# Altium PCB TIMESTICK_2.PcbDoc (part 1 of 2) (continued)
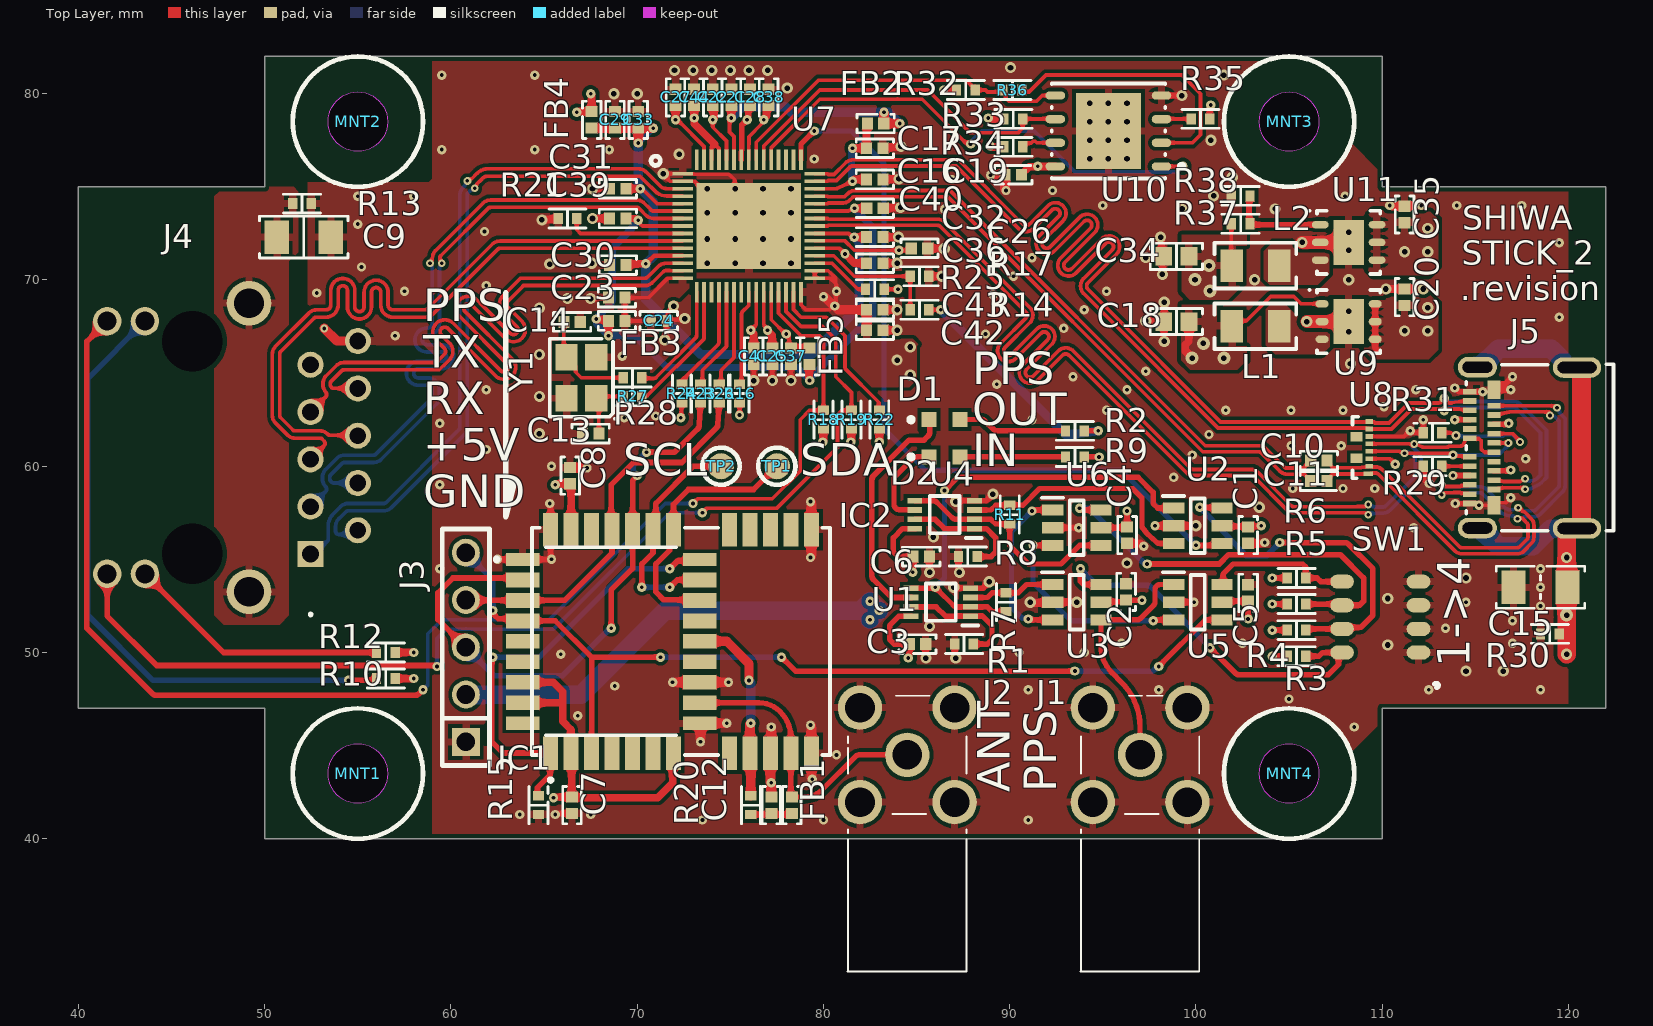
[diagram p0: Top Layer view]
## Components (designator, comment, footprint, x,y, rotation, side; value= is the part's Value field where it differs from the comment)
C1 "0.1 µF" "CAP 0402_1005" 102.8,56.3 r90 top
C2 "0.1 µF" "CAP 0402_1005" 96.25,53.25 r270 top
C3 "0.1 µF" "CAP 0402_1005" 85.05,50.45 r180 top
C4 "0.1 µF" "CAP 0402_1005" 96.3,56.3 r90 top
C5 "0.1 µF" "CAP 0402_1005" 102.8,53.2 r270 top
C6 "0.1 µF" "CAP 0402_1005" 85.25,55.15 r180 top
C7 "0.1 µF" "CAP 0402_1005" 66.5,41.8 r90 top
C8 "0.1 µF" "CAP 0402_1005" 66.4,59.5 r270 top
C9 "1000 pF/2kV" "CAP 1206_3216 - 0.8MM" 52.1,72.3 r0 top
C10 "0.1 µF" "CAP 0402_1005" 106.6,60.3 r180 top
C11 "0.1 µF" "CAP 0402_1005" 106.6,59.2 r180 top
C12 "47 pF" "CAP 0402_1005" 77.2,41.8 r270 top
C13 "15 pF" "CAP 0402_1005" 67.5,61.75 r0 top
C14 "15 pF" "CAP 0402_1005" 66.5,67.75 r180 top
C15 "1000 pF/2kV" "CAP 1206_3216 - 0.8MM" 118.5,53.5 r0 top
C16 "1 µF" "CAP 0402_1005" 82.756,75.4 r180 top
C17 "0.1 µF" "CAP 0402_1005" 82.756,77.075 r180 top
C18 "22 µF" "CAP 0603_1608" 98.95,67.767 r0 top
C19 "0.1 µF" "CAP 0402_1005" 90.194,75.65 r0 top
C20 "4.7 µF" "CAP 0402_1005" 111.2,69.077 r270 top
C21 "4.7 µF" "CAP 0402_1005" 75.056,79.8 r270 top
C22 "4.7 µF" "CAP 0402_1005" 74.056,79.8 r270 top
C23 "0.1 µF" "CAP 0402_1005" 68.906,69.05 r0 top
C24 "0.1 µF" "CAP 0402_1005" 71.156,67.8 r180 top
C25 "0.1 µF" "CAP 0402_1005" 77.256,65.9 r90 top
C26 "0.1 µF" "CAP 0402_1005" 85.156,71.7 r180 top
C27 "0.1 µF" "CAP 0402_1005" 72.056,79.8 r270 top
C28 "0.1 µF" "CAP 0402_1005" 76.056,79.8 r270 top
C29 "4.7 µF" "CAP 0402_1005" 68.806,78.6 r270 top
C30 "0.1 µF" "CAP 0402_1005" 68.956,70.8 r0 top
C31 "0.1 µF" "CAP 0402_1005" 68.956,74.9 r0 top
C32 "0.1 µF" "CAP 0402_1005" 82.756,72.3 r180 top
C33 "0.1 µF" "CAP 0402_1005" 70.056,78.6 r270 top
C34 "22 µF" "CAP 0603_1608" 98.95,71.267 r0 top
C35 "4.7 µF" "CAP 0402_1005" 111.2,73.517 r270 top
C36 "0.1 µF" "CAP 0402_1005" 82.756,70.9 r180 top
C37 "0.1 µF" "CAP 0402_1005" 78.256,65.9 r90 top
C38 "0.1 µF" "CAP 0402_1005" 77.056,79.8 r270 top
C39 "0.1 µF" "CAP 0402_1005" 68.956,73.3 r0 top
C40 "0.1 µF" "CAP 0402_1005" 82.766,73.85 r180 top
C41 "0.1 µF" "CAP 0402_1005" 76.256,65.9 r90 top
C42 "0.1 µF" "CAP 0402_1005" 82.756,67.3 r180 top
C43 "0.1 µF" "CAP 0402_1005" 82.756,68.4 r180 top
C44 "0.1 µF" "CAP 0402_1005" 73.056,79.8 r270 top
D1 "APT1608ZGCK" FP-APT1608ZGCK-MFG 86.5,62.5 r0 top
D2 "APT1608ZGCK" FP-APT1608ZGCK-MFG 86.5,60.5 r0 top
FB1 "80 Ohms @ 100 MHz" "FER 0402_1005" 78.3,41.8 r90 top
FB2 "80 Ohms @ 100 MHz" "FER 0402_1005" 82.8,78.4 r180 top
FB3 "80 Ohms @ 100 MHz" "FER 0402_1005" 68.906,67.8 r180 top
FB4 "80 Ohms @ 100 MHz" "FER 0402_1005" 67.556,78.6 r270 top
FB5 "80 Ohms @ 100 MHz" "FER 0402_1005" 79.256,65.9 r270 top
IC1 "MAX-F10S-00B" MAXF10S00B 68.6,50.6 r180 top
IC2 "NEO-M9N-00B" NEOM9N00B 72.35,50.6 r270 top
J1 "73100-0114" 731000114 97,44.5 r90 top locked
J2 "73100-0114" 731000114 84.5,44.5 r90 top locked
J3 "PBS-5" PBS-5 60.8,50.28 r90 top
J4 "ARJM11D7-809-AB-EW2" ARJM11D7809ABEW2 52.46,55.29 r270 top locked
J5 "1054500101" "Molex 1054500101" 115.355,61 r90 top locked
L1 "3.3µH" "IND 1008_2520" 103.2,67.517 r180 top
L2 "3.3µH" "IND 1008_2520" 103.2,70.767 r180 top
MNT1 "MOUNT_HOLE" MOUNT_3mm 55,43.5 r0 top locked
MNT2 "MOUNT_HOLE" MOUNT_3mm 55,78.5 r0 top locked
MNT3 "MOUNT_HOLE" MOUNT_3mm 105,78.5 r0 top locked
MNT4 "MOUNT_HOLE" MOUNT_3mm 105,43.5 r0 top locked
R1 "4.7 kOhms" "YAGEO RES 0402_1005" 87.55,50.45 r180 top
R2 "4.7 kOhms" "YAGEO RES 0402_1005" 93.5,61.9 r0 top
R3 "10 kOhms" "YAGEO RES 0402_1005" 105.4,49.8 r180 top
R4 "10 kOhms" "YAGEO RES 0402_1005" 105.4,51.2 r180 top
R5 "10 kOhms" "YAGEO RES 0402_1005" 105.4,52.6 r180 top
R6 "10 kOhms" "YAGEO RES 0402_1005" 105.4,54 r180 top
R7 "0 Ohms" "YAGEO RES 0402_1005" 89.8,52.7 r270 top
R8 "4.7 kOhms" "YAGEO RES 0402_1005" 87.75,55.15 r0 top
R9 "4.7 kOhms" "YAGEO RES 0402_1005" 93.5,60.5 r0 top
R10 "330 Ohms" "YAGEO RES 0402_1005" 56.5,48.6 r0 top
R11 "0 Ohms" "YAGEO RES 0402_1005" 90,57.4 r90 top
R12 "330 Ohms" "YAGEO RES 0402_1005" 56.5,50 r0 top
R13 "1 MOhms" "YAGEO RES 0402_1005" 52,74.1 r0 top
R14 "49.9 kOhms" "YAGEO RES 0402_1005" 85.156,68.4 r0 top
R15 "DNP" "YAGEO RES 0402_1005" 64.7,41.8 r270 top value="0 Ohms"
R16 "10 kOhms" "YAGEO RES 0402_1005" 75.5,63.9 r270 top
R17 "100 kOhms" "YAGEO RES 0402_1005" 85.156,70.2 r180 top
R18 "4.7 kOhms" "YAGEO RES 0402_1005" 80,62.5 r90 top
R19 "4.7 kOhms" "YAGEO RES 0402_1005" 81.5,62.5 r90 top
R20 "33 Ohms" "YAGEO RES 0402_1005" 76.1,41.8 r270 top
R21 "24 kOhms" "YAGEO RES 0402_1005" 66.256,73.3 r0 top
R22 "47 kOhms" "YAGEO RES 0402_1005" 83,62.5 r270 top
R23 "0 Ohms" "YAGEO RES 0402_1005" 73.4,63.9 r90 top
R24 "47 kOhms" "YAGEO RES 0402_1005" 72.4,63.9 r270 top
R25 "47 kOhms" "YAGEO RES 0402_1005" 82.756,69.5 r0 top
R26 "0 Ohms" "YAGEO RES 0402_1005" 74.4,63.9 r90 top
R27 "0 Ohms" "YAGEO RES 0402_1005" 69.75,63.75 r0 top
R28 "200 Ohms" "YAGEO RES 0402_1005" 69.75,64.75 r0 top
R29 "5.1 kOhms" "YAGEO RES 0402_1005" 112.7,60 r180 top
R30 "1 MOhms" "YAGEO RES 0402_1005" 119,51 r0 top
R31 "5.1 kOhms" "YAGEO RES 0402_1005" 112.7,61.8 r180 top
R32 "4.7 kOhms" "YAGEO RES 0402_1005" 87.644,80.2 r0 top
R33 "4.7 kOhms" "YAGEO RES 0402_1005" 90.194,78.65 r0 top
R34 "4.7 kOhms" "YAGEO RES 0402_1005" 90.194,77.15 r0 top
R35 "4.7 kOhms" "YAGEO RES 0402_1005" 100.244,78.65 r180 top
R36 "22 Ohms" "YAGEO RES 0402_1005" 90.144,80.2 r180 top
R37 "10 kOhms" "YAGEO RES 0402_1005" 102.4,73.017 r0 top
R38 "39.2 kOhms" "YAGEO RES 0402_1005" 102.4,74.517 r180 top
SW1 "218-4LPST" "CTS 218-4LPJ" 109.9,51.9 r180 top
TP1 "PAD_TEST" PAD_TEST 77.5,60 r0 top value=.NetName
TP2 "PAD_TEST" PAD_TEST 74.5,60 r0 top value=.NetName
U1 "NC7WZ125K8X" SOP50P310X90-8N 86.3,52.7 r180 top
U2 "SN74LVC1G3157DBVR" SOT95P280X145-6N 100.1,56.8 r0 top
U3 "SN74LVC1G3157DBVR" SOT95P280X145-6N 93.6,52.7 r0 top
U4 "NC7WZ125K8X" SOP50P310X90-8N 86.5,57.4 r180 top
U5 "SN74LVC1G3157DBVR" SOT95P280X145-6N 100.1,52.7 r0 top
U6 "SN74LVC1G3157DBVR" SOT95P280X145-6N 93.6,56.7 r0 top
U7 "AX88279" IC_AX88279 75.991,72.9 r0 top locked
U8 "ESD7016MUTAG" ONSC-UDFN-8-517CB_V 108.9,61 r90 top
U9 "ST1S06PU33R" DFN6D_L 108.2,67.767 r0 top
U10 "SST25VF016B-50-4I-QAF-T" FP-C04-452-MFG 95.3,78 r180 top
U11 "ST1S06PUR" DFN6D_M 108.2,72.017 r0 top
Y1 "25 MHz" "NDK NX3225GA" 67,64.75 r90 top

## Footprints (in the part's own frame and the unit in brackets; to place one, negate y for a bottom-side part, rotate by r counter-clockwise, add the part's x,y. Pads: shape width x height; smd on the part's side, far side on the other; paste and mask are expansions set on the pad)
731000114 [mm]
  round 2.385 hole 1.59: 1(0,0) 2(-2.54,-2.54) 3(-2.54,2.54) 4(2.54,2.54) 5(2.54,-2.54)
  silkscreen extent -11.63,-3.18 3.17,3.2, body extent -11.6,-3.18 3.2,3.18, height 9.57
ARJM11D7809ABEW2 [mm]
  round 2.4 hole 1.6: MH1(2.035,-3.3) MH2(-13.465,-3.3)
  round 1.625 hole 3.25 unplated: MH3(0,-6.35) MH4(-11.43,-6.35)
  rect 1.4x1.4 hole 0.9: P1(0,0)
  round 1.4 hole 0.9: P2(-1.27,2.54) P3(-2.54,0) P4(-3.81,2.54) P5(-5.08,0) P6(-6.35,2.54) P7(-7.62,0) P8(-8.89,2.54) P9(-10.16,0) P10(-11.43,2.54)
  round 1.53 hole 1.02: P11(-12.5,-8.89) P12(-12.5,-10.92) P13(1.07,-8.89) P14(1.07,-10.92)
  silkscreen extent 3.2,-0.05 3.3,0.05, body extent -14.17,-17.2 2.74,4.3, height 14.15
"CAP 0402_1005" [mm] "Chip Capacitor, 2-Leads, Body 1.02x0.51mm, IPC Medium Density"
  rect 0.6x0.64 smd: 1(-0.44,0) 2(0.44,0)
  silkscreen extent -1,-0.5 1,0.5, body extent -0.5,-0.26 0.5,0.26, height 0.52
"CAP 0603_1608" [mm] "Chip Capacitor, 2-Leads, Body 1.60x0.80mm, IPC Medium Density"
  rect 0.9x1 smd: 1(-0.675,0) 2(0.675,0)
  silkscreen extent -1.4,-0.7 1.4,0.7, body extent -0.8,-0.41 0.8,0.41, height 0.82
"CAP 1206_3216 - 0.8MM" [mm] "Chip Capacitor, 2-Leads, Body 3.25x1.60mm, IPC Medium Density"
  rect 1.3x1.8 smd: 1(-1.45,0) 2(1.45,0)
  silkscreen extent -2.37,-1.12 2.37,1.12, body extent -1.6,-0.8 1.6,0.8, height 0.8
"CTS 218-4LPJ" [mm] "DIP, 6 POS, Body 8.79x6.05mm, Pitch 1.27mm, IPC Medium Density"
  oval 1.27x0.76 smd: 1(-2.05,1.905) 2(-2.05,0.635) 3(-2.05,-0.635) 4(-2.05,-1.905) 5(2.05,-1.905) 6(2.05,-0.635) 7(2.05,0.635) 8(2.05,1.905)
  silkscreen extent -3.13,3.55 -2.9,3.79, body extent -3.15,-3.13 3.15,3.12, height 2.71
DFN6D_L [mm] "SON, 6-Leads, Body 3x3mm, Pitch 0.95mm, Thermal Pad 2.4x1.65mm, IPC High Density"
  oval 0.7x0.4 smd: 1(-1.425,0.95) 2(-1.425,0) 3(-1.425,-0.95) 4(1.425,-0.95) 5(1.425,0) 6(1.425,0.95)
  rect 1.65x2.4 smd: 7(0,0)
  silkscreen extent -2.15,-1.7 1.7,1.75, body extent -1.55,-1.55 1.55,1.55, height 0.95
DFN6D_M [mm] "SON, 6-Leads, Body 3x3mm, Pitch 0.95mm, Thermal Pad 2.4x1.65mm, IPC Low Density"
  oval 0.9x0.4 smd: 1(-1.525,0.95) 2(-1.525,0) 3(-1.525,-0.95) 4(1.525,-0.95) 5(1.525,0) 6(1.525,0.95)
  rect 1.65x2.4 smd: 7(0,0)
  silkscreen extent -2.15,-1.7 1.7,1.75, body extent -1.55,-1.55 1.55,1.55, height 0.95
"FER 0402_1005" [mm] "Chip Ferrite, 2-Leads, Body 1.02x0.51mm, IPC Medium Density"
  rect 0.6x0.64 smd: 1(-0.44,0) 2(0.44,0)
  silkscreen extent -1,-0.5 1,0.5, body extent -0.5,-0.26 0.5,0.26, height 0.52
FP-APT1608ZGCK-MFG [mm]
  rect 0.8x0.8 smd paste+0 mask+0: 1(-0.825,0) 2(0.825,0)
  silkscreen extent -1.92,-0.12 -1.67,0.12, body extent -0.8,-0.4 0.8,0.4, height 0.85
FP-C04-452-MFG [mm]
  rrect100% 1.05x0.45 smd paste+0 mask+0: 1(-2.85,1.905) 2(-2.85,0.635) 3(-2.85,-0.635) 4(-2.85,-1.905) 5(2.85,-1.905) 6(2.85,-0.635) 7(2.85,0.635) 8(2.85,1.905)
  rect 3.5x4.1 smd paste+0 mask+0: 9(0,0)
  silkscreen extent -4.05,-2.55 3.05,2.55, body extent -3.47,-2.65 3.47,2.65, height 0.25
IC_AX88279 [mm]
  rect 1.1x0.2 smd: 1(-3.55,2.8) 2(-3.55,2.4) 3(-3.55,2) 4(-3.55,1.6) 5(-3.55,1.2) 6(-3.55,0.8) 7(-3.55,0.4) 8(-3.55,0) 9(-3.55,-0.4) 10(-3.55,-0.8) 11(-3.55,-1.2) 12(-3.55,-1.6) 13(-3.55,-2) 14(-3.55,-2.4) 15(-3.55,-2.8) 31(3.55,-2.8) 32(3.55,-2.4) 33(3.55,-2) 34(3.55,-1.6) 35(3.55,-1.2) 36(3.55,-0.8) 37(3.55,-0.4) 38(3.55,0) 39(3.55,0.4) 40(3.55,0.8) 41(3.55,1.2) 42(3.55,1.6) 43(3.55,2) 44(3.55,2.4) 45(3.55,2.8)
  rect 0.2x1.1 smd: 16(-2.8,-3.55) 17(-2.4,-3.55) 18(-2,-3.55) 19(-1.6,-3.55) 20(-1.2,-3.55) 21(-0.8,-3.55) 22(-0.4,-3.55) 23(0,-3.55) 24(0.4,-3.55) 25(0.8,-3.55) 26(1.2,-3.55) 27(1.6,-3.55) 28(2,-3.55) 29(2.4,-3.55) 30(2.8,-3.55) 46(2.8,3.55) 47(2.4,3.55) 48(2,3.55) 49(1.6,3.55) 50(1.2,3.55) 51(0.8,3.55) 52(0.4,3.55) 53(0,3.55) 54(-0.4,3.55) 55(-0.8,3.55) 56(-1.2,3.55) 57(-1.6,3.55) 58(-2,3.55) 59(-2.4,3.55) 60(-2.8,3.55)
  rect 5.6x4.6 smd paste-2539.97: 61(0,0)
  silkscreen extent -5.25,3.25 -4.75,3.75, body extent -3.5,-3.5 3.5,3.5, height 0.85
"IND 1008_2520" [mm] "Chip Inductance, 2-leads, Body 2.5x2.1mm, IPC Medium Density"
  rect 1.2x1.75 smd: 1(-1.275,0) 2(1.275,0)
  silkscreen extent -2.18,-1.22 2.2,1.22, body extent -1.3,-1.05 1.3,1.05, height 1
MAXF10S00B [mm]
  rect 1.8x0.7 smd: 1(4.75,-4.4) 9(4.75,4.4) 10(-4.75,4.4) 18(-4.75,-4.4)
  rect 1.8x0.8 smd: 2(4.75,-3.3) 3(4.75,-2.2) 4(4.75,-1.1) 5(4.75,0) 6(4.75,1.1) 7(4.75,2.2) 8(4.75,3.3) 11(-4.75,3.3) 12(-4.75,2.2) 13(-4.75,1.1) 14(-4.75,0) 15(-4.75,-1.1) 16(-4.75,-2.2) 17(-4.75,-3.3)
  silkscreen extent -3.5,-5.05 6.25,5.05, body extent -4.85,-5.35 4.85,5.05, height 2.48
"Molex 1054500101" [mm] "USB-C Receptacle Connector 24 Position Surface Mount, 24 Position, Body 8.94x7.90mm"
  rect 0.3x0.7 smd: A1(-3,0.655) A2(-2.5,0.655) A3(-2,0.655) A4(-1.5,0.655) A5(-1,0.655) A6(-0.5,0.655) A7(0.5,0.655) A8(1,0.655) A9(1.5,0.655) A10(2,0.655) A11(2.5,0.655) A12(3,0.655) B2(2.25,-0.645) B3(1.75,-0.645) B4(1.25,-0.645) B5(0.75,-0.645) B6(0.25,-0.645) B7(-0.25,-0.645) B8(-0.75,-0.645) B9(-1.25,-0.645) B10(-1.75,-0.645) B11(-2.25,-0.645)
  rect 1x0.7 smd: B1(3.1,-0.655) B12(-3.1,-0.645)
  oval 1.1x2.6 hole 2.1 slot 0.6 at 0 deg: S(-4.34,-5.105) S(4.3,-5.105)
  oval 1.1x2.1 hole 1.6 slot 0.6 at 0 deg: S(-4.32,0.245) S(4.32,0.245)
  silkscreen extent -4.47,-7.07 4.47,0.83, body extent -4.47,-7.07 4.47,0.83, height 3.21
MOUNT_3mm [mm] "H3/OUT6"
  round 0 hole 3.2 unplated: ""(0,0)
  Keep-Out Layer board cut-out: 0,-1.6 -0.612,-1.478 -1.131,-1.131 -1.478,-0.612 -1.6,0 -1.6,0 -1.478,0.612 -1.131,1.131 -0.612,1.478 0,1.6 0,1.6 0.612,1.478 1.131,1.131 1.478,0.612 1.6,0 1.6,0 1.478,-0.612 1.131,-1.131 0.612,-1.478 0,-1.6 hole: 0,-1.6 0,-1.6 0,-1.6
  Multi-Layer pour cut-out: 0,-3.5 -1.339,-3.234 -2.475,-2.475 -3.234,-1.339 -3.5,0 -3.5,0 -3.031,1.75 -1.75,3.031 0,3.5 0,3.5 1.339,3.234 2.475,2.475 3.234,1.339 3.5,0 3.5,0 3.234,-1.339 2.475,-2.475 1.339,-3.234 0,-3.5
  silkscreen extent -3.5,-3.5 3.5,3.5
"NDK NX3225GA" [mm] "Crystal, 4-Leads, Body 2.50x3.20mm, Pitch 2.20mm, IPC Medium Density"
  rect 1.4x1.2 smd: 1(-1.1,-0.8) 2(1.1,-0.8) 3(1.1,0.8) 4(-1.1,0.8)
  silkscreen extent -2.25,-1.85 2.1,1.7, body extent -1.61,-1.26 1.61,1.26, height 0.75
NEOM9N00B [mm]
  rect 1.8x0.8 smd: 1(6,-7) 2(6,-5.9) 3(6,-4.8) 4(6,-3.7) 5(6,-2.6) 6(6,-1.5) 7(6,-0.4) 8(6,2.6) 9(6,3.7) 10(6,4.8) 11(6,5.9) 12(6,7) 13(-6,7) 14(-6,5.9) 15(-6,4.8) 16(-6,3.7) 17(-6,2.6) 18(-6,-0.4) 19(-6,-1.5) 20(-6,-2.6) 21(-6,-3.7) 22(-6,-4.8) 23(-6,-5.9) 24(-6,-7)
  silkscreen extent -6.1,-8 7.55,8, body extent -6.1,-8 6.1,8, height 2.6
ONSC-UDFN-8-517CB_V [mm] "SON, 8-Leads, Body 3.3x1mm, Pitch 0.4mm"
  rect 0.25x0.5 smd: 1(-1.4,-0.35)
  rect 0.25x0.4 smd: 2(-1,-0.4) 3(-0.6,-0.4) 4(-0.2,-0.4) 5(0.2,-0.4) 6(0.6,-0.4) 7(1,-0.4) 8(1.4,-0.4)
  rect 0.5x0.65 smd: 9(0.58,0.275) 10(-0.58,0.275)
  silkscreen extent -1.65,0.18 1.65,0.5, body extent -1.65,-0.5 1.65,0.5, height 0.55
PAD_TEST [mm]
  round 1.4 smd paste-100: 1(0,0)
  silkscreen extent -1,-1 1,1
PBS-5 [mm]
  rect 1.5x1.5 hole 1: 1(-5.08,0)
  round 1.5 hole 1: 2(-2.54,0) 3(0,0) 4(2.54,0) 5(5.08,0)
  silkscreen extent -6.35,-1.27 6.35,1.27, body extent -6.6,-1.25 6.6,1.25, height 8.5
SOP50P310X90-8N [mm]
  rect 0.8x0.3 smd: 1(-1.6,0.75) 2(-1.6,0.25) 3(-1.6,-0.25) 4(-1.6,-0.75) 5(1.6,-0.75) 6(1.6,-0.25) 7(1.6,0.25) 8(1.6,0.75)
  silkscreen extent -2,-1 0.8,1.25, body extent -1.55,-1 1.55,1, height 0.9
SOT95P280X145-6N [mm]
  rect 1.15x0.6 smd: 1(-1.3,0.95) 2(-1.3,0) 3(-1.3,-0.95) 4(1.3,-0.95) 5(1.3,0) 6(1.3,0.95)
  silkscreen extent -1.88,-1.46 0.38,1.6, body extent -1.4,-1.46 1.4,1.46, height 1.45
"YAGEO RES 0402_1005" [mm] "Chip Resistor, 2-Leads, Body 1.0x0.5mm"
  rect 0.5x0.6 smd: 1(-0.5,0) 2(0.5,0)
  silkscreen extent -1,-0.51 1,0.51, body extent -0.5,-0.25 0.5,0.25, height 0.35

## Part data
C1 C2 C3 C4 C5 C6 C7 C8 C10 C11 C17 C19 C23 C24 C25 C26 C27 C28 C30 C31 C32 C33 C36 C37 C38 C39 C40 C41 C42 C43 C44: library part CC0402KRX7R6BB104, "CAP CER 0.1UF 10V X7R 0402", Device Package="0402 (1005 Metric)", Manufacturer=Yageo, Operating Temperature="-55°C ~ 125°C", Supplier Part Number 1=311-1345-1-ND, Temperature Coefficient=X7R, Tolerance=±10%, Voltage - Rated=10V, Applications="General Purpose", Capacitance="0.1 µF", componentlink1description=Datasheet, componentlink1url=https://www.yageo.com/upload/media/product/productsearch/datasheet/mlcc/UPY-GPHC_X7R_6.3V-to-50V_18.pdf, componentlink2description="DigiKey Link", componentlink2url=https://www.digikey.com/en/products/detail/yageo/CC0402KRX7R6BB104/2103083, lastupdated="09.02.2024 20:04:34", Lifecycle Status=Active, Minimum Order=10, Mounting Type="Surface Mount, MLCC", Package / Case="0402 (1005 Metric)", packaging=CutTape, Part Number=CC0402KRX7R6BB104, Part Status=Active, partid=3877, Price=0.01, series=CC, Size / Dimension="0.039\" L x 0.020\" W (1.00mm x 0.50mm)", Supplier 1=DigiKey, Thickness (Max)="0.022\" (0.55mm)"
C9 C15: library part CC1206KKX7RDBB102, "CAP CER 1000PF 2KV X7R 1206", Capacitance="1000 pF", Device Package="1206 (3216 Metric)", Manufacturer=Yageo, Operating Temperature="-55°C ~ 125°C", Supplier Part Number 1=311-1487-1-ND, Temperature Coefficient=X7R, Tolerance=±10%, Voltage - Rated="2000V (2kV)", Applications="General Purpose", componentlink1description=Datasheet, componentlink1url=https://www.yageo.com/upload/media/product/productsearch/datasheet/mlcc/UPY-NP0X7R_HV_1KV-to-3KV_11.pdf, componentlink2description="DigiKey Link", componentlink2url=https://www.digikey.com/en/products/detail/yageo/CC1206KKX7RDBB102/2833652, Features="High Voltage", lastupdated="04.06.2024 19:10:41", Lifecycle Status=Active, Minimum Order=1, Mounting Type="Surface Mount, MLCC", Package / Case="1206 (3216 Metric)", packaging=TapeAndReel, Part Number=CC1206KKX7RDBB102, Part Status=Active, partid=19484, Price=0.06, series=CC, Size / Dimension="0.126\" L x 0.063\" W (3.20mm x 1.60mm)", Supplier 1=DigiKey, Thickness (Max)="0.057\" (1.45mm)"
C12: library part CC0402KRNPO9BN470, "CAP CER 47PF 50V C0G/NPO 0402", Device Package="0402 (1005 Metric)", Manufacturer=Yageo, Operating Temperature="-55°C ~ 125°C", Supplier Part Number 1=311-3783-1-ND, Temperature Coefficient="C0G, NP0", Tolerance=±10%, Voltage - Rated=50V, Applications="General Purpose", Capacitance="47 pF", componentlink1description=Datasheet, componentlink1url=https://www.yageo.com/upload/media/product/productsearch/datasheet/mlcc/UPY-GP_NP0_16V-to-50V_17.pdf, componentlink2description="DigiKey Link", componentlink2url=https://www.digikey.com/en/products/detail/yageo/CC0402KRNPO9BN470/5883324, lastupdated="09.02.2024 20:04:34", Lifecycle Status=Active, Minimum Order=10, Mounting Type="Surface Mount, MLCC", Package / Case="0402 (1005 Metric)", packaging=CutTape, Part Number=CC0402KRNPO9BN470, Part Status=Active, partid=3939, Price=0.01, series=CC, Size / Dimension="0.039\" L x 0.020\" W (1.00mm x 0.50mm)", Supplier 1=DigiKey, Thickness (Max)="0.022\" (0.55mm)"
C13 C14: library part CC0402KRNPO9BN150, "CAP CER 15PF 50V C0G/NPO 0402", Device Package="0402 (1005 Metric)", Manufacturer=Yageo, Operating Temperature="-55°C ~ 125°C", Supplier Part Number 1=311-3780-1-ND, Temperature Coefficient="C0G, NP0", Tolerance=±10%, Voltage - Rated=50V, Applications="General Purpose", Capacitance="15 pF", componentlink1description=Datasheet, componentlink1url=https://www.yageo.com/upload/media/product/productsearch/datasheet/mlcc/UPY-GP_NP0_16V-to-50V_17.pdf, componentlink2description="DigiKey Link", componentlink2url=https://www.digikey.com/en/products/detail/yageo/CC0402KRNPO9BN150/5883321, lastupdated="09.02.2024 20:04:34", Lifecycle Status=Active, Minimum Order=10, Mounting Type="Surface Mount, MLCC", Package / Case="0402 (1005 Metric)", packaging=CutTape, Part Number=CC0402KRNPO9BN150, Part Status=Active, partid=3947, Price=0.01, series=CC, Size / Dimension="0.039\" L x 0.020\" W (1.00mm x 0.50mm)", Supplier 1=DigiKey, Thickness (Max)="0.022\" (0.55mm)"
C16: library part CC0402KRX5R6BB105, "CAP CER 1UF 10V X5R 0402", Device Package="0402 (1005 Metric)", Manufacturer=Yageo, Operating Temperature="-55°C ~ 85°C", Supplier Part Number 1=311-1439-1-ND, Temperature Coefficient=X5R, Tolerance=±10%, Voltage - Rated=10V, Applications="General Purpose", Capacitance="1 µF", componentlink1description=Datasheet, componentlink1url=https://www.yageo.com/upload/media/product/productsearch/datasheet/mlcc/UPY-GPHC_X5R_4V-to-50V_25.pdf, componentlink2description="DigiKey Link", componentlink2url=https://www.digikey.com/en/products/detail/yageo/CC0402KRX5R6BB105/2833604, lastupdated="09.02.2024 20:04:31", Lifecycle Status=Active, Minimum Order=1, Mounting Type="Surface Mount, MLCC", Package / Case="0402 (1005 Metric)", packaging=TapeAndReel, Part Number=CC0402KRX5R6BB105, Part Status=Active, partid=44232, Price=0.01, series=CC, Size / Dimension="0.039\" L x 0.020\" W (1.00mm x 0.50mm)", Supplier 1=DigiKey, Thickness (Max)="0.022\" (0.55mm)"
C18 C34: library part CC0603MRX5R6BB226, "CAP CER 22UF 10V X5R 0603", Device Package="0603 (1608 Metric)", Manufacturer=Yageo, Operating Temperature="-55°C ~ 85°C", Supplier Part Number 1=311-1819-1-ND, Temperature Coefficient=X5R, Tolerance=±20%, Voltage - Rated=10V, Applications="General Purpose", Capacitance="22 µF", componentlink1description=Datasheet, componentlink1url=https://www.yageo.com/upload/media/product/productsearch/datasheet/mlcc/UPY-GPHC_X5R_4V-to-50V_26.pdf, componentlink2description="DigiKey Link", componentlink2url=https://www.digikey.com/en/products/detail/yageo/CC0603MRX5R6BB226/5195226, lastupdated="09.02.2024 20:09:50", Lifecycle Status=Active, Minimum Order=1, Mounting Type="Surface Mount, MLCC", Package / Case="0603 (1608 Metric)", packaging=TapeAndReel, Part Number=CC0603MRX5R6BB226, Part Status=Active, partid=45305, Price=0.16, series=CC, Size / Dimension="0.063\" L x 0.031\" W (1.60mm x 0.80mm)", Supplier 1=DigiKey, Thickness (Max)="0.035\" (0.90mm)"
C20 C21 C22 C29 C35: library part CC0402MRX5R6BB475, "CAP CER 4.7UF 10V X5R 0402", Device Package="0402 (1005 Metric)", Manufacturer=Yageo, Operating Temperature="-55°C ~ 85°C", Supplier Part Number 1=311-1734-1-ND, Temperature Coefficient=X5R, Tolerance=±20%, Voltage - Rated=10V, Applications="General Purpose", Capacitance="4.7 µF", componentlink1description=Datasheet, componentlink1url=https://www.yageo.com/upload/media/product/productsearch/datasheet/mlcc/UPY-GPHC_X5R_4V-to-50V_25.pdf, componentlink2description="DigiKey Link", componentlink2url=https://www.digikey.com/en/products/detail/yageo/CC0402MRX5R6BB475/5195143, lastupdated="09.02.2024 20:04:16", Lifecycle Status=Active, Minimum Order=1, Mounting Type="Surface Mount, MLCC", Package / Case="0402 (1005 Metric)", packaging=TapeAndReel, Part Number=CC0402MRX5R6BB475, Part Status=Active, partid=27083, Price=0.01, series=CC, Size / Dimension="0.039\" L x 0.020\" W (1.00mm x 0.50mm)", Supplier 1=DigiKey, Thickness (Max)="0.026\" (0.65mm)"
D1 D2: library part CMP-44529-000024-1, "LED GREEN CLEAR CHIP SMD", Case Code (Imperial)=0603, Case Code (Metric)=1608, Color=Green, Forward Current=20mA, Forward Voltage=3.3V, Lens Color=Colorless, Manufacturer=Kingbright, Max Operating Temperature=85°C, Min Operating Temperature=-40°C, Package Quantity=1, Supplier Part Number=C5554158, Case/Package=0603, Category=LEDs, componentlink1description=https://datasheet.ciiva.com/16422/apt1608zgck-262051-16422477.pdf?src-supplier=Mouser, componentlink1url=https://datasheet.ciiva.com/16422/apt1608zgck-262051-16422477.pdf?src-supplier=Mouser, componentlink2description=https://datasheet.ciiva.com/26292/apt1608zgck-26292289.pdf?src-supplier=Digikey, componentlink2url=https://datasheet.ciiva.com/26292/apt1608zgck-26292289.pdf?src-supplier=Digikey, ComponentLink3Description=https://datasheet.ciiva.com/29562/apt1608zgck-29562277.pdf?src-supplier=Digikey, ComponentLink3URL=https://datasheet.ciiva.com/29562/apt1608zgck-29562277.pdf?src-supplier=Digikey, Dominant Wavelength=525nm, Height=0.75mm, Illumination Color=Green, Lead Free="Lead Free", Length=1.6mm, Lens Transparency=Clear, Luminous Intensity=350mcd, Manufacturer Part Number=APT1608ZGCK, Mount="Surface Mount", Mounting Technology="Surface Mount", packaging="Tape and Reel", Pricing="5=0.3043, 50=0.2442, 150=0.2184, 500=0.1863, 2000=0.1719, 4000=0.1633 (USD)", RoHS=Yes, RoHS Compliant=Yes, series=HELI2, Stock=1770, Supplier=LCSC, Test Current=20mA, Viewing Angle=120°, Width=0.8mm
FB1 FB2 FB3 FB4 FB5: library part BLM15PD800SN1D, "FERRITE BEAD 80 OHM 0402 1LN", Current Rating (Max)=1.5A, DC Resistance (DCR) (Max)=70mOhm, Device Package="0402 (1005 Metric)", Manufacturer="Murata Electronics", Operating Temperature="-55°C ~ 125°C", Supplier Part Number 1=490-5202-1-ND, componentlink1description=Datasheet, componentlink1url=https://www.murata.com/en-us/products/productdata/8796740059166/ENFA0018.pdf, componentlink2description="DigiKey Link", componentlink2url=https://www.digikey.com/en/products/detail/murata-electronics/BLM15PD800SN1D/1948308, Filter Type="Power Line", Height (Max)="0.022\" (0.55mm)", Impedance @ Frequency="80 Ohms @ 100 MHz", lastupdated="03.06.2024 19:51:04", Lifecycle Status=Active, Minimum Order=1, Mounting Type="Surface Mount", Number of Lines=1, Package / Case="0402 (1005 Metric)", packaging=TapeAndReel, Part Number=BLM15PD800SN1D, Part Status=Active, partid=403, Price=0.02, series="EMIFIL®, BLM15", Size / Dimension="0.039\" L x 0.022\" W (1.00mm x 0.55mm)", Supplier 1=DigiKey
IC1: "Integrated Circuit", Manufacturer_Name=u-blox, Datasheet Link=https://www.mouser.ph/ProductDetail/u-blox/MAX-F10S-00B?qs=By6Nw2ByBD2CW%252Biwf2Kjow%3D%3D, Height=2.7mm, Manufacturer_Part_Number=MAX-F10S-00B
IC2: "Integrated Circuit", Manufacturer_Name=u-blox, Mouser Part Number=377-NEO-M9N-00B, Arrow Part Number=NEO-M9N-00B, Arrow Price/Stock=https://www.arrow.com/en/products/neo-m9n-00b/u-blox?utm_currency=USD&region=nac, Datasheet Link=https://content.u-blox.com/sites/default/files/NEO-M9N-00B_DataSheet_UBX-19014285.pdf, Height=2.6mm, Manufacturer_Part_Number=NEO-M9N-00B, Mouser Price/Stock=https://www.mouser.co.uk/ProductDetail/u-blox/NEO-M9N-00B?qs=DPoM0jnrROVeJ6BHpcwcjw%3D%3D
J1 J2: "Connector", Manufacturer_Name=Molex, Mouser Part Number=538-73100-0114, Arrow Part Number=73100-0114, Arrow Price/Stock=https://www.arrow.com/en/products/73100-0114/molex?region=nac, Datasheet Link=https://www.molex.com/pdm_docs/sd/731000114_sd.pdf, Height=9.57mm, Manufacturer_Part_Number=73100-0114, Mouser Price/Stock=https://www.mouser.co.uk/ProductDetail/Molex/73100-0114?qs=ohtcwxb5zIvxHEM9IPQ5cQ%3D%3D
J3: "Connector", Manufacturer=Connfly, Part Number=PBD-5, Part Number1=DS-1023-1x5, System=Connector
J4: "Connector", Manufacturer_Name=ABRACON, Mouser Part Number=815-RJM11D7809ABEW2, Arrow Part Number=ARJM11D7-809-AB-EW2, Arrow Price/Stock=null?region=nac, Datasheet Link=https://abracon.com/Magnetics/ARJM11.pdf, Height=14.05mm, Manufacturer_Part_Number=ARJM11D7-809-AB-EW2, Mouser Price/Stock=https://www.mouser.co.uk/ProductDetail/ABRACON/ARJM11D7-809-AB-EW2?qs=YCa%2FAAYMW03gbQ6lIqrJ2w%3D%3D
J5: "CONN RCP USB3.1 TYPEC 24P SMD RA", Current Rating (Amps)="0.25A, 1A, 5A", Manufacturer=Molex, Operating Temperature="-30°C ~ 85°C", Supplier Part Number 1=WM12856CT-ND, Voltage - Rated=30VAC/DC, componentlink1description=Datasheet, componentlink1url=https://www.molex.com/pdm_docs/ps/PS-105448-001.pdf, componentlink2description="DigiKey Link", componentlink2url=http://digikey.com/product-detail/en/molex/1054500101/WM12856CT-ND/5843891, Connector Type="USB - C (Type - C)", Gender=Receptacle, lastupdated="06.06.2020 2:14:04", Lifecycle Status=Active, Mating Cycles=10000, Minimum Order=1, Mounting Feature=Horizontal, Mounting Type="Surface Mount, Right Angle; Through Hole", Number of Contacts=24, Number of Ports=1, packaging=TapeAndReel, Part Number=1054500101, Part Status=Active, Price=1.22, series=105445, Shielding=Shielded, Specifications="USB 3.1 (USB 3.1 Gen 2, Superspeed+)", Supplier 1=DigiKey, Termination=Solder
L1 L2: library part LQM2HPN3R3MG0L, "FIXED IND 3.3UH 1.2A 100 MOHM", Current Rating (Amps)=1.2A, DC Resistance (DCR)="125mOhm Max", Device Package="1008 (2520 Metric)", Frequency - Self Resonant=30MHz, Inductance Frequency - Test=1MHz, Manufacturer="Murata Electronics", Operating Temperature="-55°C ~ 125°C", Supplier Part Number 1=490-5115-1-ND, Tolerance=±20%, componentlink1description=Datasheet, componentlink1url=https://search.murata.co.jp/Ceramy/image/img/P02/JELF243B-0019.pdf, componentlink2description="DigiKey Link", componentlink2url=http://digikey.com/product-detail/en/murata-electronics/LQM2HPN3R3MG0L/490-5115-1-ND/1893678, Height - Seated (Max)="0.039\" (1.00mm)", Inductance=3.3µH, lastupdated="02.09.2020 1:29:06", Lifecycle Status=Active, Material - Core=Ferrite, Minimum Order=1, Mounting Type="Surface Mount", Package / Case="1008 (2520 Metric)", packaging=TapeAndReel, Part Number=LQM2HPN3R3MG0L, Part Status=Active, partid=3442, Price=0.12, series=LQM2, Shielding=Shielded, Size / Dimension="0.098\" L x 0.079\" W (2.50mm x 2.00mm)", Supplier 1=DigiKey, Supplier Device Package="1008 (2520 Metric)", Type=Multilayer